# KiCad board chastity.kicad_pcb (continued)
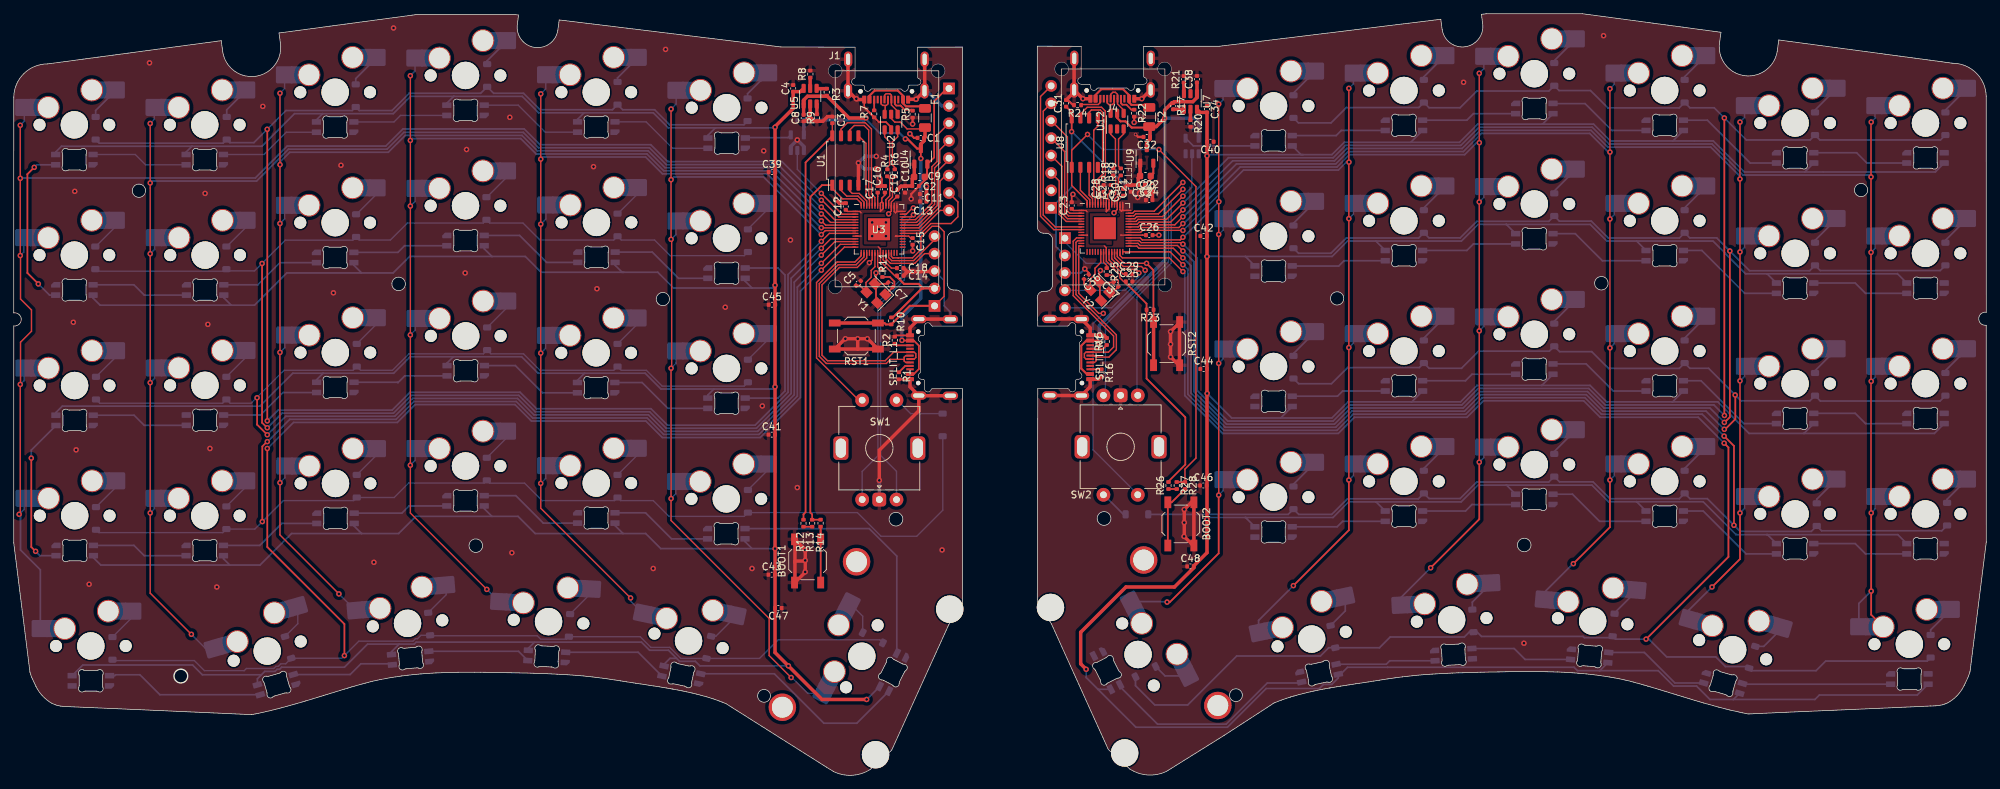
[diagram p0: board, top side]
## Routing (per net, layer and track width the routed paths; a pad name or vN(x,y) marks a point on that pad's centre or on a via; arc(x,y) is an arc through that point) (continued)
Q_CLK: length 17
  Top w0.2: U8.6 156.71,96.7 157.04,97.03 158.35,97.03 158.68,96.7 158.68,87.65 157.82,86.79 157.82,84.64 158.01,84.44 U10.52
Q_CLK_L: length 15.4
  Top w0.2: 121.82,93.27 121.82,94.1 122.49,94.77 123.92,94.77 124.59,94.1 124.59,84.61 125.1,84.11 U3.52
Q_IO0: length 13
  Top w0.2: U10.53 157.61,84.28 157.38,84.51 157.38,94.07 157.98,94.67 U8.5
Q_IO0_L: length 10.9
  Top w0.2: U3.53 124.7,83.94 124.19,84.45 124.19,92.17 U1.5
Q_IO1: length 6
  Top w0.2: U10.55 156.81,83.94 155.44,85.32 155.44,88.66 U8.2
Q_IO1_L: length 5.3
  Top w0.2: U1.2 120.55,85.3 121.39,84.47 123.04,84.47 123.9,83.61 U3.55
Q_IO2: length 5.7
  Top w0.2: U8.3 156.71,84.61 157.21,84.11 U10.54
Q_IO2_L: length 4.6
  Top w0.2: U3.54 124.3,83.77 123.2,84.87 122.19,84.87 121.82,85.23 121.82,86.07
Q_IO3: length 18.9
  Top w0.2: U10.51 158.41,84.61 158.22,84.8 158.22,86.62 159.08,87.48 159.08,96.87 158.52,97.43 156.44,97.43 155.44,96.43 U8.7
Q_IO3_L: length 17.6
  Top w0.2: U1.7 120.55,94.23 121.49,95.17 124.09,95.17 124.99,94.27 124.99,84.78 125.5,84.27 U3.51
Q_SEL: length 76
  Top w0.2: R28.1 170.68,44.67 172.28,46.27 172.28,85.87 v1(166.88,91.27) ; v1(156.48,93.47) 154.17,91.16 U8.1 154.17,86.02 156.41,83.78 U10.56
  Top w0.25: R27.1 R28.1
  Bottom w0.2: v1(156.48,93.47) 158.68,91.27 v1(166.88,91.27)
Q_SEL_L: length 58.3
  Top w0.2: U1.1 119.28,85.57 120.79,84.07 122.87,84.07 123.5,83.44 U3.56
  Top w0.25: R14.1 117.56,37.27 R13.1 116.35,38.06 116.09,38.32 116.09,84.37 117.79,86.07 U1.1
RESET: length 34.4
  Top w0.2: v1(165.08,74.67) 161.79,74.67 160.81,75.64 U10.26
  Top w0.25: RST2.2 166.1,67.24 166.1,67.24 R23.1 166.08,67.91 166.08,73.67 v1(165.08,74.67)
  Top w0.5: RST2.2 RST2.2
  Bottom w0.2: v1(165.08,74.67) 156.28,74.67 153.18,77.77 J5.1
RESET_L: length 38.7
  Top w0.2: U3.26 127.9,75.67 128.1,75.46 128.89,75.46 128.9,75.47 130.98,75.47 132.19,76.68 132.19,78.47 132.36,78.64 132.39,78.64 133.82,80.07 134.79,80.07 135.59,79.27 135.59,69.87 J2.1
  Top w0.3: RST1.1 126.89,65.97 127.1,65.76 R10.1 130.59,68.47 J2.1
  Top w0.5: RST1.1 RST1.1
rot A: length 42.4
  Top w0.2: U10.40 163.21,81.58 163.51,81.88 166.8,81.88 170.38,85.46 v1(170.38,85.47)
  Bottom w0.2: SW2.A 163.68,55.54 163.68,69.72 168.68,74.72 168.68,83.77 v1(170.38,85.47)
rot A_L: length 47.6
  Top w0.2: v1(131.1,82.74) 130.97,82.74 130.07,81.84 U3.41
  Bottom w0.2: v1(131.1,82.74) 130.97,82.74 129.39,81.17 129.39,72.43 125.93,68.98 125.93,46.61 123.64,44.32 SW1.A
rot B: length 45.6
  Top w0.2: U10.41 163.05,81.98 163.35,82.28 166.19,82.28 v1(170.38,86.47)
  Bottom w0.2: v1(170.38,86.47) 168.28,84.37 168.28,74.89 159.08,65.69 159.08,55.69 SW2.B
rot B_L: length 46.2
  Top w0.2: v1(131.1,81.74) 131.1,81.73 130.81,81.44 U3.40
  Bottom w0.2: SW1.B 128.64,44.34 126.33,46.65 126.33,68.81 129.79,72.27 129.79,80.41 131.1,81.73 v1(131.1,81.74)
row 0: length 259
  Top w0.2: v1(170.38,77.47) 170.16,77.68 170.16,77.68 164.3,77.68 164,77.98 U10.31
  Top w0.25: v1(249.29,52.48) 249.28,52.49 v1(249.28,95.87)
  Bottom w0.25: v1(249.29,52.48) 247.75,54.02 231.93,54.02 229.53,56.42 213.43,56.42 211.03,54.02 194.63,54.02 192.28,51.67 176.91,51.67 172.45,56.13 172.45,75.42 170.4,77.47 v1(170.38,77.47) ; D36.1 280.78,92.67 263.2,92.67 D35.1 261.78,92.67 252.48,92.67 v1(249.28,95.87) 247.79,97.35 244.26,97.35 D34.1 242.7,97.33 232.31,97.33 229.78,99.87 225.2,99.87 D33.1 223.71,99.8 213.21,99.8 210.77,97.36 206.25,97.36 D32.1 204.76,97.39 194.2,97.39 191.96,95.15 187.21,95.15 D31.1
row 0_L: length 256.2
  Top w0.2: v1(117.69,77.87) 118.86,79.04 U3.9
  Top w0.25: v1(36.94,94.22) 36.95,94.21 v1(36.95,51.69)
  Bottom w0.25: D6.1 106.4,94.87 95.58,94.87 93.39,97.07 88.74,97.07 D5.1 87.24,97.07 76.69,97.07 74.29,99.47 69.94,99.47 D4.1 68.04,99.47 57.64,99.47 55.12,96.95 50.36,96.95 D3.1 49.32,96.95 39.67,96.95 34.99,92.27 31.49,92.27 D2.1 30.51,92.19 12.46,92.19 D1.1 ; v1(36.95,51.69) 38.53,53.27 55.15,53.27 57.75,55.87 73.79,55.87 76.19,53.47 92.86,53.47 95.26,51.07 108.04,51.07 112.84,55.86 112.84,73.04 117.66,77.87 v1(117.69,77.87)
row 1: length 241.1
  Top w0.2: v1(170.38,76.47) 169.58,77.27 164.14,77.27 163.83,77.58 U10.30
  Top w0.25: v1(249.28,51.47) 249.55,51.74 249.58,51.74 250.08,52.24 v1(250.08,76.47)
  Bottom w0.25: v1(249.28,51.47) 247.18,53.57 231.74,53.57 229.34,55.97 213.62,55.97 211.21,53.57 194.81,53.57 192.46,51.22 176.73,51.22 172,55.94 172,74.87 170.4,76.47 v1(170.38,76.47) ; D37.1 187.23,76.14 191.95,76.14 194.17,78.36 204.73,78.36 D38.1 206.23,78.38 210.79,78.38 213.2,80.79 223.71,80.79 D39.1 225.24,80.83 229.89,80.83 232.35,78.36 242.73,78.36 D40.1 244.23,78.38 248.16,78.38 v1(250.08,76.47) 252.95,73.59 261.7,73.59 D41.1 263.25,73.61 280.73,73.61 D42.1
row 1_L: length 237
  Top w0.2: v1(117.69,76.87) 119.06,78.24 U3.11
  Top w0.25: v1(36.95,50.69) 36.92,50.69 36.19,51.43 v1(36.19,74.65)
  Bottom w0.2: D7.1 12.18,73.52 30.69,73.52 D8.1 31.24,73.57 35.09,73.57 39.57,78.05 49.42,78.05 D9.1 50.34,78.07 54.89,78.07 57.37,80.55 68.42,80.55 D10.1 69.36,80.55 74.21,80.55 76.69,78.07 87.44,78.07 D11.1 88.54,78.07 93.39,78.07 95.67,75.79 106.46,75.79 D12.1
  Bottom w0.25: v1(117.69,76.87) 117.66,76.87 113.29,72.49 113.29,55.68 108.23,50.62 95.07,50.62 92.67,53.02 76,53.02 73.6,55.42 57.94,55.42 55.34,52.82 39.1,52.82 36.98,50.69 v1(36.95,50.69)
row 2: length 221.6
  Top w0.2: U10.29 163.67,77.18 163.98,76.87 168.98,76.87 v1(170.38,75.47)
  Top w0.25: v1(249.28,50.47) 249.39,50.47 250.88,51.95 250.88,55.45 v1(250.86,55.47)
  Bottom w0.25: D48.1 280.7,54.59 263.28,54.59 D47.1 261.73,54.62 251.7,54.62 v1(250.86,55.47) 250.86,55.49 246.98,59.36 244.25,59.36 D46.1 242.71,59.34 232.4,59.34 229.95,61.79 225.27,61.79 D45.1 223.78,61.87 213.48,61.87 210.97,59.36 206.25,59.36 D44.1 204.83,59.47 194.38,59.47 192.02,57.11 187.25,57.11 D43.1 ; v1(249.28,50.47) 249.25,50.47 246.6,53.12 231.55,53.12 229.15,55.52 213.8,55.52 211.4,53.12 195,53.12 192.65,50.77 176.54,50.77 171.55,55.76 171.55,74.32 170.4,75.47 v1(170.38,75.47)
row 2_L: length 219.2
  Top w0.2: v1(117.69,75.87) 119.66,77.84 U3.12
  Top w0.25: v1(35.46,55.07) 35.46,51.15 v1(36.95,49.67)
  Bottom w0.2: D18.1 106.44,56.77 94.49,56.77 92.19,59.07 88.54,59.07 D17.1 87.44,59.07 76.69,59.07 74.29,61.47 69.54,61.47 D16.1 68.44,61.47 57.59,61.47 55.19,59.07 50.54,59.07 D15.1 49.44,59.07 39.39,59.07 34.59,54.27 31.54,54.27 D14.1 30.44,54.27 12.54,54.27 D13.1
  Bottom w0.25: v1(117.69,75.87) 113.74,71.92 113.74,55.49 108.42,50.17 94.89,50.17 92.49,52.57 75.82,52.57 73.42,54.97 58.12,54.97 55.52,52.37 39.65,52.37 36.95,49.67 v1(36.95,49.67)
row 3: length 251.8
  Top w0.2: v1(170.38,74.47) 168.5,76.34 U10.28
  Top w0.25: v1(250.68,36.47) 250.68,48.04 v1(249.25,49.47)
  Bottom w0.25: v1(249.25,49.47) 246.05,52.67 231.37,52.67 228.97,55.07 213.99,55.07 211.59,52.67 195.19,52.67 192.84,50.32 176.35,50.32 171.1,55.57 171.1,73.77 170.4,74.47 v1(170.38,74.47) ; D54.1 280.96,35.67 263.45,35.67 D53.1 261.95,35.58 251.57,35.58 v1(250.68,36.47) 246.79,40.35 244.26,40.35 D52.1 242.71,40.35 232.59,40.35 230.14,42.8 225.26,42.8 D51.1 223.69,42.77 213.18,42.77 210.78,40.37 206.25,40.37 D50.1 204.69,40.33 194.34,40.33 192.06,38.05 187.26,38.05 D49.1 185.72,38.05 165.34,38.05 D62.1
row 3_L: length 266.2
  Top w0.2: U3.13 120.46,77.44 v1(117.69,74.67)
  Top w0.25: v1(36.95,48.67) 36.92,48.67 36.22,47.97 v1(36.22,37)
  Bottom w0.2: D19.1 12.41,35.4 30.47,35.4 D20.1 35.14,35.92 39.29,40.07 49.54,40.07 D21.1 55.44,40.52 57.55,42.63 68.55,42.63 D22.1 69.35,42.61 74.45,42.61 76.99,40.07 87.54,40.07 D23.1 88.44,40.07 93.19,40.07 95.49,37.77 106.44,37.77 D24.1 122.94,38.32 126.39,34.87 131.59,34.87 135.39,38.67 135.39,49.43 D61.1
  Bottom w0.25: v1(36.95,48.67) 36.98,48.67 40.23,51.92 55.71,51.92 58.31,54.52 73.23,54.52 75.63,52.12 92.3,52.12 94.7,49.72 108.6,49.72 114.19,55.3 114.19,71.19 117.66,74.67 v1(117.69,74.67)
row 4: length 274.1
  Top w0.2: U10.27 161.21,75.81 161.56,75.47 168.38,75.47 v1(170.38,73.47)
  Top w0.25: v1(237.88,19.87) 249.88,31.87 249.88,47.81 v1(249.25,48.44)
  Bottom w0.25: D55.1 163.47,13.08 166.28,10.27 171.08,10.27 178.22,17.41 190.42,17.41 191.62,18.61 D56.1 199.02,18.61 200.59,20.18 211.39,20.18 212.09,20.88 D57.1 213.27,20.88 213.88,20.27 228.69,20.27 228.88,20.08 232.79,20.08 D58.1 233.41,19.87 v1(237.88,19.87) 238.28,19.87 240.88,17.27 248.04,17.27 249.44,15.87 252.66,15.87 D59.1 253.26,15.27 262.65,15.27 264.05,16.67 278.83,16.67 D60.1 ; v1(170.38,73.47) 170.65,73.2 170.65,55.38 176.17,49.87 193.02,49.87 195.37,52.22 211.77,52.22 214.17,54.62 228.78,54.62 231.18,52.22 245.47,52.22 v1(249.25,48.44)
row 4_L: length 263.9
  Top w0.2: U3.14 121.06,77.04 v1(117.69,73.67)
  Top w0.25: v1(48.19,17.47) 48.19,22.07 36.95,33.31 v1(36.95,47.67)
  Bottom w0.2: D25.1 14.52,16.74 26.32,16.74 27.79,15.27 33.59,15.27 33.91,15.59 37.9,15.59 38.21,15.9 38.56,15.9 38.93,16.27 39.63,16.27 D26.1 47.8,17.08 50.29,19.57 58.19,19.57 58.55,19.93 58.85,19.93 59.34,20.42 D27.1 60.75,20.35 76.29,20.35 76.78,19.87 80.55,19.87 D28.1 91.29,20.22 92.84,18.67 95.59,18.67 97.2,17.05 D29.1 108.67,17.05 111.39,19.77 126.21,19.77 D30.1
  Bottom w0.25: 36.95,47.73 v1(36.95,47.67) 36.98,47.67 40.78,51.47 55.9,51.47 58.5,54.07 73.04,54.07 75.44,51.67 92.12,51.67 94.52,49.27 108.79,49.27 114.64,55.12 114.64,70.62 v1(117.69,73.67)
rst: length 23
  Top w0.2: U10.7 151.75,79.98 150.03,81.7 150.03,96.86 J6.7
rst_L: length 13.1
  Top w0.2: U3.34 132.22,79.04 133.65,80.47 136.59,80.47 137.59,81.47 137.59,83.63 J3.7
SK6803_EN: length 1.6
  Top w0.5: R21.1 170.51,99.42 U7.3
SK6803_EN_L: length 1.5
  Top w0.5: U5.3 117.04,97.87 R9.1
SK6803_NFAULT: length 1.6
  Top w0.5: R17.2 168.98,97.13 U7.4
SK6803_NFAULT_L: length 1.5
  Top w0.5: U5.4 117.05,100.14 R3.1
Split_5v5_L: length 153.9
  Top w0.2: U2.5 127.86,95.79 128.39,95.27 129.19,95.27 130.19,94.27 132.59,94.27 F1.2
  Top w0.25: SPLIT_L1.A4 131.16,58.51 131.91,59.26 131.91,62.66 131.16,63.41 SPLIT_L1.A9 129.46,63.41 v1(129.44,63.44) ; SPLIT_R1.A4 157.84,63.41 v1(158.18,63.07) ; v1(132.19,89.96) U4.3
  Top w0.3: SPLIT_R1.A4 156.32,63.41 155.56,62.66 155.56,59.32 156.37,58.51 SPLIT_R1.A9 ; F2.2 165.34,94.47 162.91,94.47 162,95.38 161.29,95.38 160.79,95.88 U12.5 ; U4.3 131.65,91.4 130.25,92.81 v1(129.94,92.81)
  Top w0.5: U4.3 132.19,92.07 132.67,92.55 C1.1 132.79,93.08 F1.2 ; C8.1 115.11,96.34 U5.1 115.11,98.47 115.68,99.04 118.39,99.04 R3.2 121.73,95.87 v1(124.19,95.87) ; U9.3 165.11,92.3 165.59,92.78 C32.1 165.59,94.49 F2.2 166.49,94.6 v1(167.72,95.83) 167.72,97.01 168.78,98.08 R17.1 169.13,98.24 171.83,98.24 172.43,98.84 U7.1 172.43,101.04 C38.1
  Bottom w0.3: v1(129.94,92.81) 129.08,93.67 126.19,93.67 124.19,95.67 v1(124.19,95.87)
  Bottom w0.5: v1(132.19,89.96) 132.16,89.93 132.16,69.54 129.44,66.81 v1(129.44,63.44) ; U11.5 172.68,92.92 172.68,95.27 172.12,95.83 v1(167.72,95.83) 167.73,95.82 167.73,75.12 158.18,65.57 v1(158.18,63.07) ; v1(124.19,95.87) 123.89,95.57 C6.2 115.14,94.55 115.13,94.55 115.13,93.41 U6.5 115.18,93.37
SWC: length 18
  Top w0.2: U10.24 160.01,75.31 161.52,73.8 163.42,73.8 v1(163.96,73.27)
  Bottom w0.2: v1(163.96,73.27) 163.96,72.75 161.94,70.73 J5.4
SWC_L: length 8.8
  Top w0.2: J2.4 132.73,76.09 131.31,74.67 129.23,74.67 129.22,74.66 127.77,74.66 127.1,75.34 U3.24
SWD: length 20.4
  Top w0.2: v1(164.88,73.67) 164.34,74.2 161.69,74.2 160.41,75.48 U10.25
  Bottom w0.2: J5.5 160,68.19 164.88,73.07 v1(164.88,73.67)
SWD_L: length 9.4
  Top w0.2: U3.25 127.5,75.5 127.94,75.06 129.06,75.06 129.06,75.07 131.14,75.07 134.19,78.11 J2.5
XIN: length 8.3
  Top w0.2: U10.20 158.41,74.8 157.57,73.96 157.57,73.06 156.88,72.37 156.88,70.86 157.01,70.73
  Top w0.25: C36.2 155.97,71.71 Y2.3
XIN_L: length 8.3
  Top w0.2: U3.20 125.5,74.18 124.95,73.63 124.95,72.63 124.19,71.87 124.19,70.55 Y1.3
  Top w0.25: C5.2 123.31,71.43 Y1.3 124.23,70.5
XOUT: length 2.6
  Top w0.2: R25.1 159.28,74.35 158.81,74.82 U10.21
XOUT_L: length 2.9
  Top w0.2: U3.21 125.9,74.18 126.37,73.7 R11.1
Net-(BOOT1-Pad2): length 8.2
  Top w0.25: BOOT1.2 BOOT1.2
  Top w0.3: BOOT1.2 117.59,36.26 R14.2
Net-(BOOT2-Pad2): length 9.6
  Top w0.25: BOOT2.2 168.17,39.83 ; BOOT2.2 BOOT2.2 ; BOOT2.2 168.74,39.82 R28.2
Net-(C7-Pad1): length 4.5
  Top w0.25: Y1.1 128.11,71.19 C7.1 128.33,71.43 128.33,72.01 127.66,72.68 R11.2
Net-(C37-Pad1): length 4.6
  Top w0.2: Y2.1 160.13,70.43 C37.1 160.97,72.13 160.14,72.96 R25.2
Net-(D1-A): length 5.2
  Bottom w0.25: MX1.2 11.94,96.96 D1.2
Net-(D2-A): length 5.1
  Bottom w0.25: D2.2 31.04,97.06 MX2.2
Net-(D3-A): length 5.2
  Bottom w0.25: D3.2 49.84,101.61 MX3.2
Net-(D4-A): length 4.6
  Bottom w0.25: MX4.2 68.99,104.21 D4.2
Net-(D5-A): length 4.8
  Bottom w0.25: D5.2 87.99,101.72 MX5.2
Net-(D6-A): length 5
  Bottom w0.25: MX6.2 106.94,99.41 D6.2
Net-(D7-A): length 5.1
  Bottom w0.2: MX7.2 14.93,80.11 11.94,77.12 D7.2
Net-(D8-A): length 5.1
  Bottom w0.2: D8.2 31.04,77.12 33.98,80.06 MX8.2
Net-(D9-A): length 5.1
  Bottom w0.2: D9.2 49.94,81.82 52.93,84.81 MX9.2
Net-(D10-A): length 5.1
  Bottom w0.2: D10.2 68.94,84.32 71.93,87.31 MX10.2
Net-(D11-A): length 5.1
  Bottom w0.2: D11.2 88.04,81.92 91.01,84.89 MX11.2
Net-(D12-A): length 5
  Bottom w0.2: D12.2 106.99,79.67 109.96,82.64 MX12.2
Net-(D13-A): length 5
  Bottom w0.2: MX13.2 14.96,61.09 D13.2
Net-(D14-A): length 5.1
  Bottom w0.2: MX14.2 33.96,61.09 D14.2
Net-(D15-A): length 5.1
  Bottom w0.2: D15.2 52.96,65.89 MX15.2
Net-(D16-A): length 5.1
  Bottom w0.2: D16.2 71.96,68.29 MX16.2
Net-(D17-A): length 5
  Bottom w0.2: MX17.2 90.96,65.89 D17.2
Net-(D18-A): length 5
  Bottom w0.2: D18.2 109.96,63.59 MX18.2
Net-(D19-A): length 5.1
  Bottom w0.2: D19.2 14.98,42.11 MX19.2
Net-(D20-A): length 4.9
  Bottom w0.2: MX20.2 33.93,42.16 D20.2
Net-(D21-A): length 5.1
  Bottom w0.2: MX21.2 52.98,46.81 D21.2
Net-(D22-A): length 5.1
  Bottom w0.2: D22.2 71.93,49.31 MX22.2
Net-(D23-A): length 5.1
  Bottom w0.2: MX23.2 90.98,46.81 D23.2
Net-(D24-A): length 5
  Bottom w0.2: MX24.2 109.93,44.56 D24.2
Net-(D25-A): length 5
  Bottom w0.2: D25.2 17.33,23.11 MX25.2
Net-(D26-A): length 5.2
  Bottom w0.2: D26.2 41.39,22.11 MX26.2
Net-(D27-A): length 5.1
  Bottom w0.2: MX27.2 63.01,26.33 D27.2
Net-(D28-A): length 5
  Bottom w0.2: MX28.2 84.29,26.73 D28.2
Net-(D29-A): length 5
  Bottom w0.2: D29.2 102.31,20.28 MX29.2
Net-(D30-A): length 5.1
  Bottom w0.2: MX30.2 123.72,23.21 D30.2
Net-(D31-A): length 4.9
  Bottom w0.25: D31.2 186.49,99.51 MX31.2
Net-(D32-A): length 4.9
  Bottom w0.25: D32.2 205.48,101.44 205.48,101.87 208.57,104.95 MX32.2
Net-(D33-A): length 4.9
  Bottom w0.25: D33.2 224.49,104.21 MX33.2
Net-(D34-A): length 4.9
  Bottom w0.25: D34.2 243.49,101.88 246.57,104.95 MX34.2
Net-(D35-A): length 4.9
  Bottom w0.25: D35.2 262.49,97.01 MX35.2
Net-(D36-A): length 4.9
  Bottom w0.25: MX36.2 281.49,97.01 D36.2
Net-(D37-A): length 4.9
  Bottom w0.25: MX37.2 186.49,80.51 D37.2
Net-(D38-A): length 4.9
  Bottom w0.25: MX38.2 205.49,82.76 D38.2
Net-(D39-A): length 4.9
  Bottom w0.25: D39.2 224.49,85.21 MX39.2
Net-(D40-A): length 4.9
  Bottom w0.25: D40.2 243.49,82.76 MX40.2
Net-(D41-A): length 4.9
  Bottom w0.25: D41.2 262.49,78.01 MX41.2
Net-(D42-A): length 4.9
  Bottom w0.25: D42.2 281.49,78.01 MX42.2
Net-(D43-A): length 4.9
  Bottom w0.25: MX43.2 186.49,61.51 D43.2
Net-(D44-A): length 4.9
  Bottom w0.25: D44.2 205.49,63.76 MX44.2
Net-(D45-A): length 4.9
  Bottom w0.25: D45.2 224.49,66.21 MX45.2
Net-(D46-A): length 4.9
  Bottom w0.25: MX46.2 243.49,63.76 D46.2
Net-(D47-A): length 4.9
  Bottom w0.25: D47.2 262.49,59.01 MX47.2
Net-(D48-A): length 4.9
  Bottom w0.25: D48.2 281.49,59.01 MX48.2
Net-(D49-A): length 4.9
  Bottom w0.25: D49.2 186.49,42.46 MX49.2
Net-(D50-A): length 4.9
  Bottom w0.25: MX50.2 205.49,44.76 D50.2
Net-(D51-A): length 4.9
  Bottom w0.25: MX51.2 224.49,47.21 D51.2
Net-(D52-A): length 4.9
  Bottom w0.25: D52.2 243.49,44.76 MX52.2
Net-(D53-A): length 4.7
  Bottom w0.25: MX53.2 262.74,40.27 D53.2
Net-(D54-A): length 4.7
  Bottom w0.25: D54.2 281.73,40.26 MX54.2
Net-(D55-A): length 5.3
  Bottom w0.25: D55.2 167.78,14.5 MX55.2
Net-(D56-A): length 5.2
  Bottom w0.25: D56.2 194.04,23.98 MX56.2
Net-(D57-A): length 5.1
  Bottom w0.25: MX57.2 212.55,25.26 D57.2
Net-(D58-A): length 4.8
  Bottom w0.25: D58.2 233.28,23.69 MX58.2
Net-(D59-A): length 5.1
  Bottom w0.25: MX59.2 255.02,18.81 D59.2
Net-(D60-A): length 5
  Bottom w0.25: D60.2 279.34,21.21 MX60.2
Net-(D61-A): length 7.5
  Bottom w0.2: SW1.S1 128.74,54.72 130.7,52.75 D61.2
Net-(D62-A): length 4.4
  Bottom w0.25: SW2.S1 158.85,40.92 161.7,38.07 D62.2
Net-(J1-CC1): length 3.6
  Top w0.25: 130.99,96.94 130.86,97.07 129.84,97.07 129.24,97.67 128.61,97.67 128.4,97.89 J1.A5
Net-(J1-CC2): length 1.6
  Top w0.25: R7.1 125.39,97.96 125.4,97.97 J1.B5
Net-(J4-CC1): length 3
  Top w0.25: R22.1 162.87,97.08 162.14,97.8 161.56,97.8 161.35,98.02 J4.A5
Net-(J4-CC2): length 3.5
  Top w0.2: R24.1 155.63,97.83 158.04,97.83 158.22,98 158.22,98.01 158.35,98.14 J4.B5
Net-(LED1-DIN): length 14.2
  Bottom w0.2: LED1.3 17.72,90.54 19.22,89.04 LED2.2
Net-(LED1-DOUT): length 24.6
  Top w0.25: v1(2.99,88.67) 1.99,87.67 1.99,73.27 v1(3.59,71.67)
  Bottom w0.25: v1(2.99,88.67) 3.36,89.04 LED1.2 ; LED7.3 5.22,70.04 v1(3.59,71.67)
Net-(LED2-DIN): length 14.9
  Bottom w0.2: LED2.3 36.46,90.54 39.71,93.79 LED3.2
Net-(LED3-DIN): length 13.9
  Bottom w0.2: 49.56,95.29 55.41,95.29 56.36,96.24 LED4.2
Net-(LED4-DIN): length 15.2
  Bottom w0.2: LED5.2 77.46,93.8 73.52,97.74 68.56,97.74
Net-(LED5-DIN): length 15.1
  Bottom w0.2: LED6.2 96.01,91.45 92.16,95.3 LED5.3
Net-(LED7-DOUT): length 14.2
  Bottom w0.25: LED8.3 19.02,70.04 17.52,71.54 LED7.2
Net-(LED8-DOUT): length 14.8
  Bottom w0.25: LED9.3 38.79,74.77 35.56,71.54 LED8.2
Net-(LED10-DIN): length 14
  Bottom w0.25: LED10.3 56.96,77.24 55.99,76.27 49.56,76.27
Net-(LED10-DOUT): length 15.3
  Bottom w0.25: 68.56,78.74 73.72,78.74 77.65,74.81 82.19,74.81
Net-(LED11-DOUT): length 15.1
  Bottom w0.25: LED11.2 93.05,76.31 96.87,72.49 LED12.3
Net-(LED12-DOUT): length 29.4
  Bottom w0.25: LED18.3 111.36,55.02 112.39,56.05 112.39,72.97 111.37,73.99 LED12.2
Net-(LED13-DIN): length 14.2
  Bottom w0.25: 11.59,52.52 17.54,52.52 19.01,51.05 LED14.2
Net-(LED13-DOUT): length 23.3
  Top w0.25: v1(3.19,32.67) 2.56,33.3 v1(2.56,46.27)
  Bottom w0.25: LED19.3 3.82,32.04 v1(3.19,32.67) ; v1(2.56,46.27) 2.56,47.43 LED13.2
Net-(LED14-DIN): length 14.9
  Bottom w0.25: 30.59,52.55 35.97,52.55 39.25,55.83 LED15.2
Net-(LED15-DIN): length 14
  Bottom w0.25: LED16.2 56.98,58.26 55.99,57.27 55.93,57.33 LED15.3
Net-(LED16-DIN): length 15.2
  Bottom w0.25: LED16.3 73.1,59.76 77.07,55.79 LED17.2
Net-(LED17-DIN): length 15.1
  Bottom w0.25: LED17.3 91.57,57.29 95.34,53.52 LED18.2
Net-(LED19-DOUT): length 14.1
  Bottom w0.25: LED19.2 17.52,33.54 19.02,32.04 LED20.3
Net-(LED20-DOUT): length 14.9
  Bottom w0.25: LED20.2 35.86,33.54 39.06,36.74 LED21.3
Net-(LED21-DOUT): length 13.9
  Bottom w0.25: LED21.2 56.56,38.24 57.61,39.29 LED22.3
Net-(LED22-DOUT): length 15.3
  Bottom w0.25: 68.56,40.79 73.17,40.79 77.17,36.79 LED23.3
Net-(LED23-DOUT): length 15.1
  Bottom w0.25: LED23.2 92.07,38.29 95.87,34.49 LED24.3
Net-(LED24-DOUT): length 37.9
  Bottom w0.25: LED30.3 128.68,31.97 124.67,35.99 LED24.2
Net-(LED25-DIN): length 23.2
  Bottom w0.25: LED26.2 21.29,11.76 18.39,14.67 14.85,14.67 14.72,14.54 LED25.3
Net-(LED26-DIN): length 15.1
  Bottom w0.25: LED26.3 49.03,14.71 50.59,16.27 55.04,16.27 LED27.2
Net-(LED27-DIN): length 15
  Bottom w0.25: LED28.2 73.56,18.09 LED27.3
Net-(LED28-DIN): length 15.5
  Bottom w0.25: LED29.2 90.99,17.95 LED28.3
Net-(LED29-DIN): length 32.4
  Bottom w0.25: LED30.2 122.86,7.6 118.05,7.6 110.84,14.82 LED29.3
Net-(LED31-DOUT): length 13.9
  Bottom w0.25: LED31.2 192.71,93.29 193.46,94.04 LED32.3
Net-(LED32-DOUT): length 13.9
  Bottom w0.25: LED33.3 212.71,96.49 211.76,95.54 LED32.2
Net-(LED33-DOUT): length 15.2
  Bottom w0.25: LED34.3 232.9,94.04 228.99,97.96 224.35,97.96 LED33.2
Net-(LED34-DOUT): length 16.1
  Bottom w0.25: LED35.3 253.05,89.29 246.81,95.54 243.32,95.54 243.31,95.54
Net-(LED35-DOUT): length 14.2
  Bottom w0.25: 262.31,90.79 268.55,90.79 270.05,89.29 LED36.3
Net-(LED37-DIN): length 13.9
  Bottom w0.25: LED38.2 193.86,75.04 193.08,74.27 186.34,74.27 LED37.3
Net-(LED38-DIN): length 13.9
  Bottom w0.25: LED38.3 211.76,76.54 212.71,77.49 LED39.2
Net-(LED39-DIN): length 15.2
  Bottom w0.25: LED40.2 231.5,75.04 227.55,78.99 LED39.3
Net-(LED40-DIN): length 16.1
  Bottom w0.25: 243.31,76.54 246,76.54 252.25,70.29 LED41.2
Net-(LED41-DIN): length 14.2
  Bottom w0.25: LED42.2 269.85,70.29 268.35,71.79 262.31,71.79
Net-(LED43-DOUT): length 13.9
  Bottom w0.25: LED44.3 193.66,56.04 192.91,55.29 LED43.2
Net-(LED44-DOUT): length 13.9
  Bottom w0.25: LED45.3 212.51,58.49 211.56,57.54 LED44.2
Net-(LED45-DOUT): length 15.2
  Bottom w0.25: LED45.2 224.32,60 229.14,60 233.1,56.04 LED46.3
Net-(LED46-DOUT): length 16.1
  Bottom w0.25: LED47.3 252.14,51.29 245.89,57.54 243.31,57.54
Net-(LED47-DOUT): length 14.2
  Bottom w0.25: LED48.3 269.85,51.29 268.35,52.79 262.31,52.79
Net-(LED49-DIN): length 13.9
  Bottom w0.25: LED50.2 193.66,37.04 192.86,36.24 LED49.3
Net-(LED50-DIN): length 13.9
  Bottom w0.25: LED51.2 212.51,39.49 211.56,38.54 LED50.3
Net-(LED51-DIN): length 15.2
  Bottom w0.25: LED51.3 227.15,40.99 231.1,37.04 LED52.2
Net-(LED52-DIN): length 16.1
  Bottom w0.25: LED53.2 252.45,32.29 246.2,38.54 243.31,38.54
Net-(LED53-DIN): length 14.2
  Bottom w0.25: LED54.2 269.85,32.29 268.35,33.79 262.31,33.79
Net-(LED55-DOUT): length 31.6
  Bottom w0.25: LED56.3 187.55,13.47 182.68,13.47 176.68,7.47 166.68,7.47 161.22,12.93 LED55.2
Net-(LED56-DOUT): length 14.6
  Bottom w0.25: LED56.2 200.02,16.21 200.52,16.71 LED57.3
Net-(LED57-DOUT): length 15
  Bottom w0.25: LED57.2 218.65,18.49 220.24,16.9 LED58.3
Net-(LED58-DOUT): length 15.7
  Bottom w0.25: LED58.2 237.62,17.92 242.07,13.47 LED59.3
Net-(LED59-DOUT): length 21.6
  Bottom w0.25: LED60.3 252.03,13.29 LED59.2
Net-(R12-Pad1): length 1.3
  Top w0.25: R13.2 115.09,36.25 R12.1
Net-(R26-Pad1): length 1.2
  Top w0.25: R27.2 R26.1
Net-(SPLIT_L1-CC1): length 2
  Top w0.25: R1.1 129.92,59.71 SPLIT_L1.A5
Net-(SPLIT_L1-CC2): length 2.3
  Top w0.25: R2.1 128.62,62.71 SPLIT_L1.B5
Net-(SPLIT_R1-CC1): length 2.6
  Top w0.25: SPLIT_R1.A5 158.74,62.21 R15.1
Net-(SPLIT_R1-CC2): length 1.6
  Top w0.25: R16.1 SPLIT_R1.B5
Net-(U3-USB_DM): length 4.7
  Top w0.2: U3.46 127.5,83.77 128.06,84.33 128.06,87.02 R6.1
Net-(U3-USB_DP): length 4.7
  Top w0.2: U3.47 127.1,83.94 127.66,84.5 127.66,87 R4.1
Net-(U10-USB_DM): length 4.6
  Top w0.2: U10.46 160.41,84.04 160.98,84.6 160.98,87.14 R19.1
Net-(U10-USB_DP): length 4.7
  Top w0.2: R18.1 160.58,87.14 160.58,84.77 160.01,84.2 U10.47

## Copper pours and planes (outline as drawn; the poured copper is in the pictures)
+3V3 on Top: 132.53,85.39 132.52,83.25 130.2,83.28 130.19,82.04 128.87,82.04 128.9,76.85 123.3,76.85 123.3,82.45 126.1,82.45 127.1,82.44 128.1,82.44 128.08,83.75 129.39,83.75 129.39,85.4
+3V3 on Top: 165.46,85.52 165.44,83.38 163.12,83.41 163.11,82.17 161.8,82.18 161.83,76.99 156.23,76.99 156.23,82.59 159.03,82.59 160.02,82.57 161.02,82.57 161.01,83.89 162.31,83.89 162.32,85.53
GND on Top, Bottom: 291.72,30.84 291.28,106.68 228.54,114.96 214.46,114.96 177.41,110.68 146.85,109.5 146.88,64.9 146.48,27.87 146.68,24.5 152.65,10.5 158.25,-0.9 164.32,-5.48 184.75,5.71 196.09,8.6 210.99,10.38 231.23,10.16 252.36,3.71 287.94,6.6
GND on Top, Bottom: -4.28,30.81 -3.84,106.65 58.9,114.93 72.98,114.93 110.02,110.65 140.59,109.67 141.36,64.9 141.39,27.87 141.19,24.67 134.79,10.47 129.19,-0.93 123.12,-5.51 102.68,5.68 91.34,8.57 76.44,10.35 56.21,10.13 35.08,3.68 -0.5,6.57
(no net) on Top: 161.02,81.57 157.42,81.57 157.42,78.17 160.02,78.17 160.02,77.37 159.22,77.37 159.22,77.57 156.82,77.57 156.82,81.97 159.78,81.98 159.78,82.31 160.02,82.3 160.02,82.57 161.02,82.57
(no net) on Top: 128.1,81.44 124.5,81.44 124.5,78.04 127.1,78.04 127.1,77.24 126.3,77.24 126.3,77.44 123.9,77.44 123.9,81.84 126.85,81.84 126.85,82.17 127.09,82.16 127.1,82.44 128.1,82.44
